# KiCad board motherboard.kicad_pcb (continued)
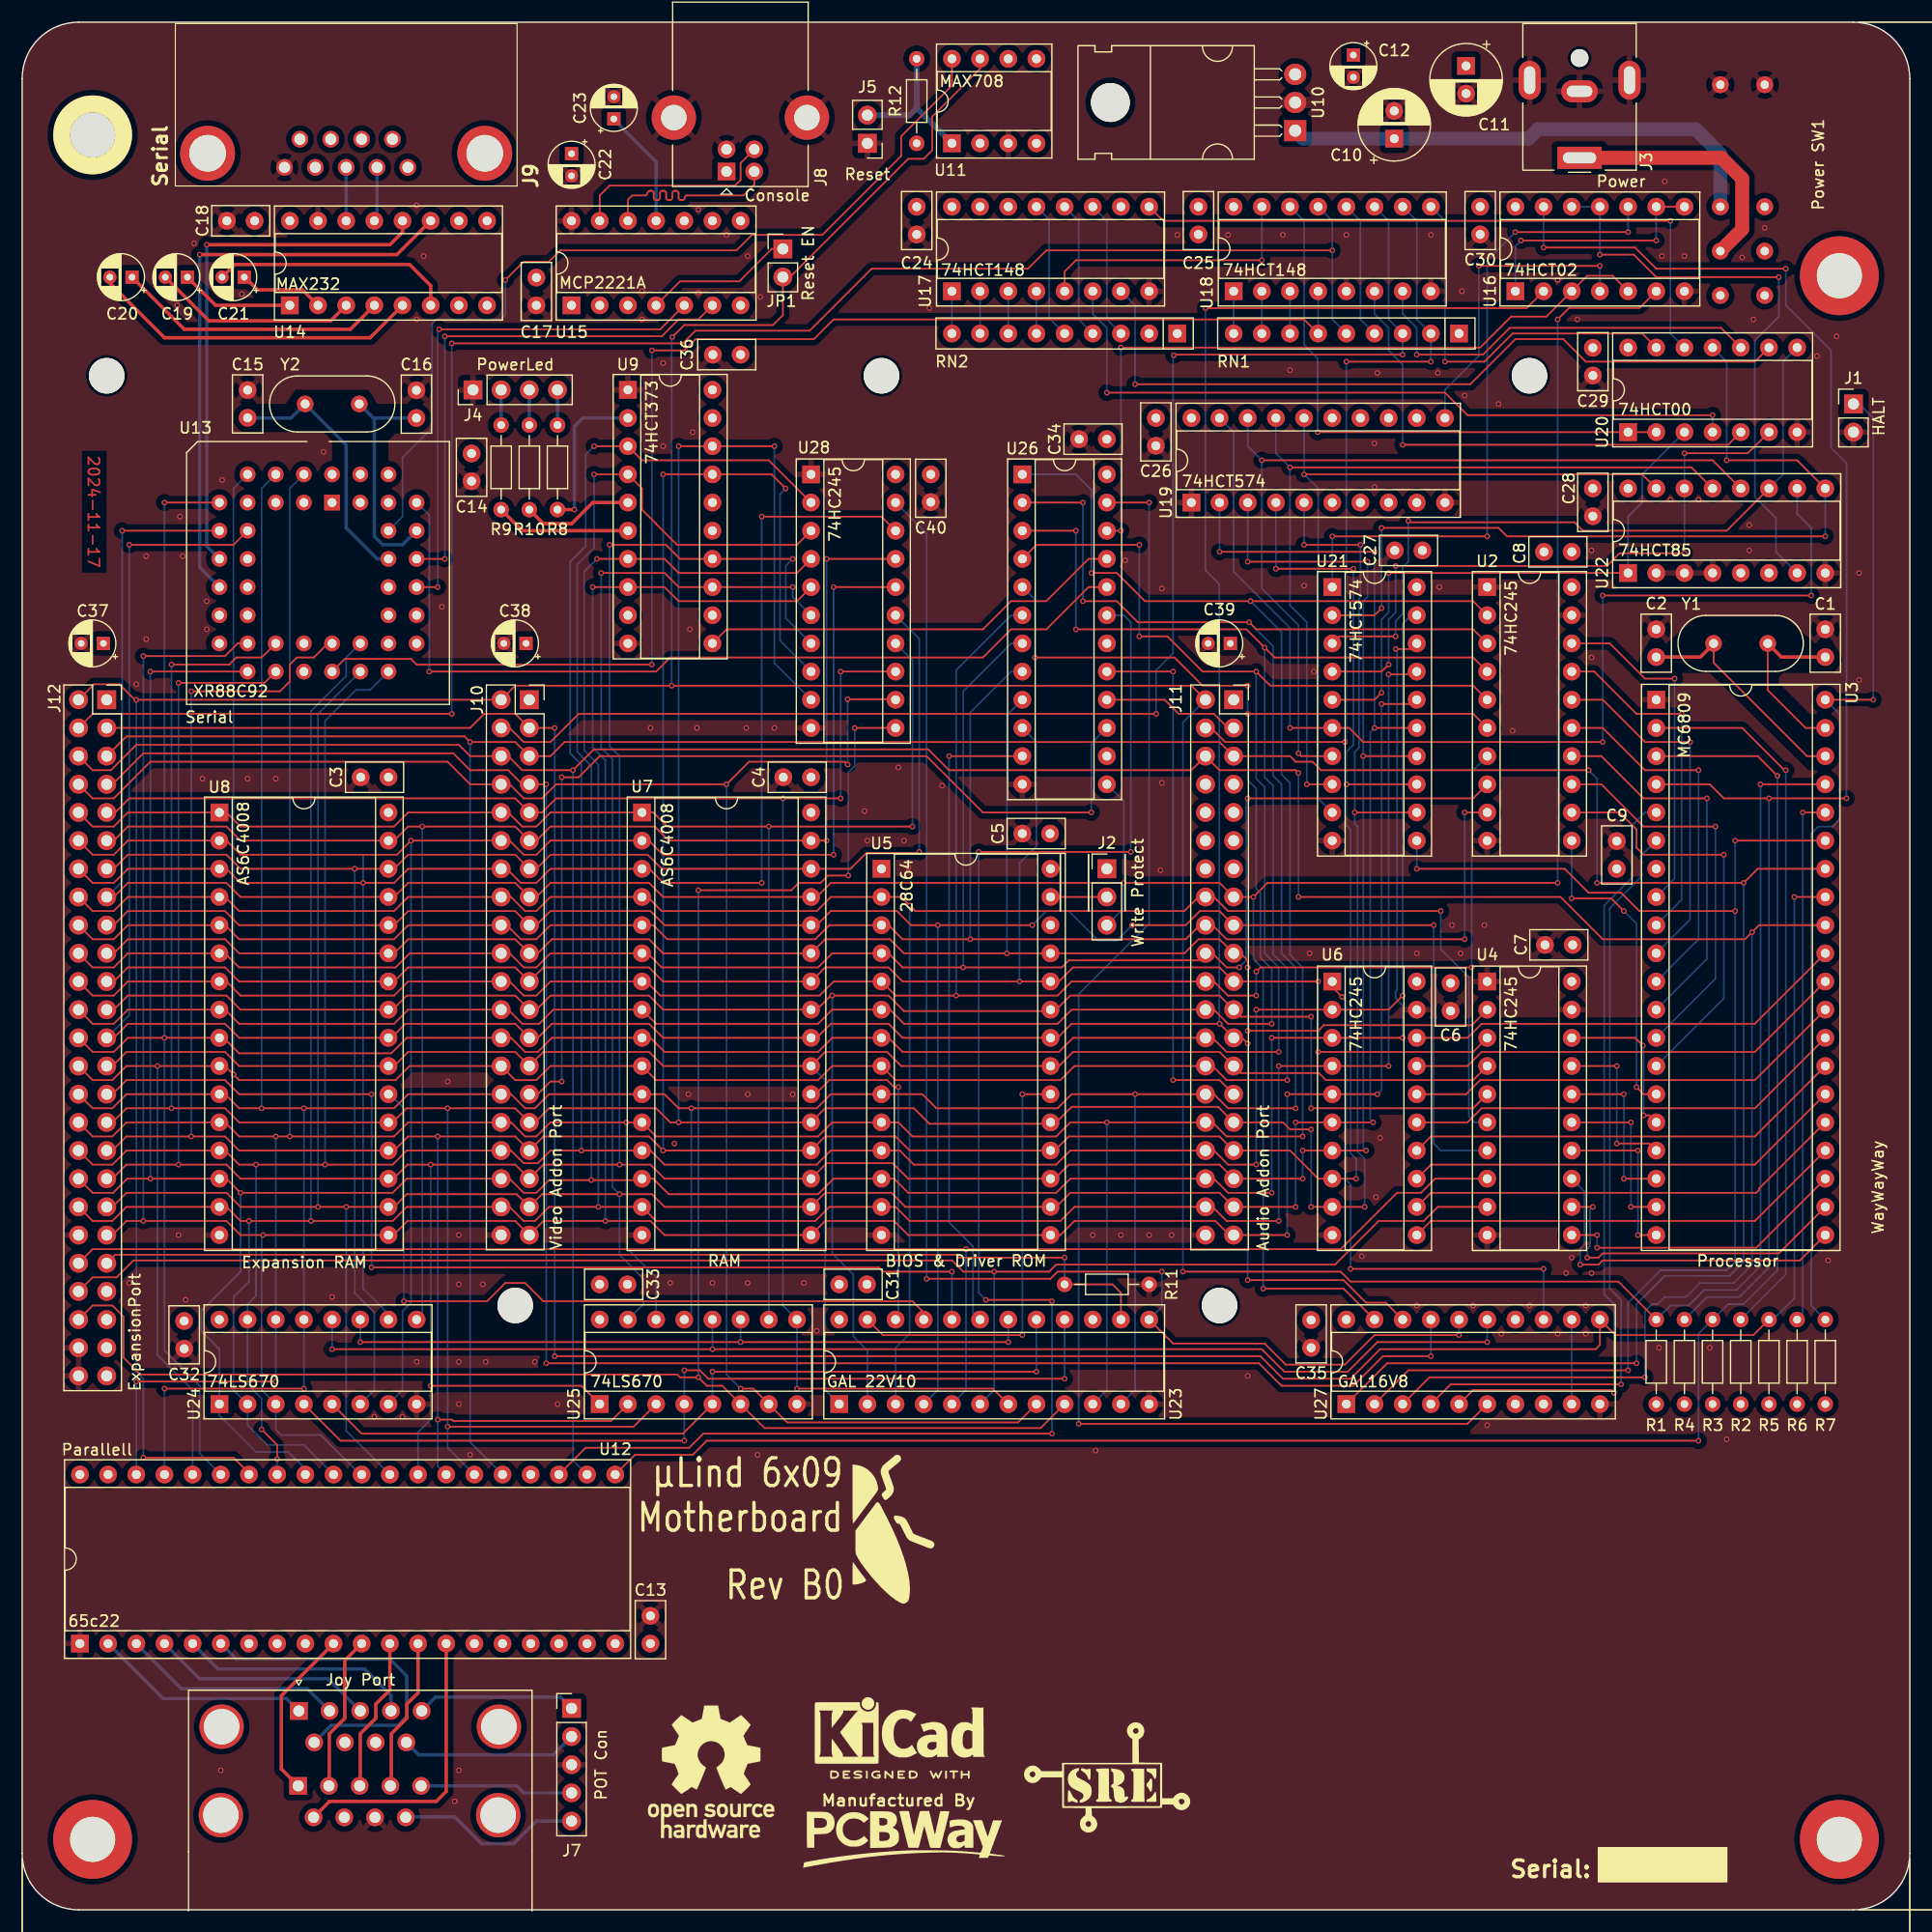
[diagram p0: board, top side]
## Routing (per net, layer and track width the routed paths; a pad name or vN(x,y) marks a point on that pad's centre or on a via; arc(x,y) is an arc through that point) (continued)
/D2: length 336.6
  Top w0.152: U21.17 125.48,111.38 v1(123.19,111.38) ; v1(113.28,76.07) U6.4 v1(123.19,76.07) ; U28.4 69.85,120.52 59.18,120.52 57.91,121.79 U9.7 v1(51.82,121.79) ; J12.38 6.35,62.1 8.13,62.1 9.4,63.37 U8.15 ; 18.41,63.37 19.68,62.1 v1(20.45,62.1) 33.4,62.1 34.67,63.37 J10.38 ; J11.38 94.87,63.37 93.6,62.1 80.01,62.1 78.74,63.37 U5.13 72.77,63.37 71.5,62.1 57.15,62.1 U7.15 47.5,63.37 46.23,62.1 45.21,62.1 43.94,63.37 ; v1(113.28,62.1) 108.58,62.1 107.31,63.37
  Bottom w0.152: v1(26.04,62.1) 26.04,108.08 29.21,111.25 29.21,112.9 U13.27 ; v1(51.82,121.79) 50.67,120.65 50.67,104.52 51.94,103.25 v1(51.94,63.37) ; v1(20.45,62.1) 20.45,56.64 19.05,55.25 19.05,46.86 U24.2 20.32,43.69 22.1,41.91 25.4,41.91 U12.31 ; v1(113.28,62.1) v1(113.28,76.07) ; v1(123.19,76.07) v1(123.19,111.38)
/D3: length 336.4
  Top w0.152: v1(122.55,108.71) 125.35,108.71 U21.16 ; 8.13,60.83 9.4,62.1 18.41,62.1 19.68,60.83 U8.17 ; v1(51.44,119.25) U9.8 57.91,119.25 59.18,117.98 69.85,117.98 U28.5 ; v1(10.92,113.03) 18.29,113.03 19.43,114.17 U13.19 ; v1(122.17,73.53) U6.5 v1(114.05,73.53) ; 33.46,60.83 34.73,62.1 44.45,62.1 J10.39 46.99,62.1 56.64,62.1 57.91,60.83 U7.17 72.39,62.1 78.61,62.1 79.88,60.83 U5.15 93.6,60.83 94.87,62.1 107.57,62.1 108.84,60.83 ; v1(114.05,60.83) J11.39
  Bottom w0.152: v1(122.55,108.71) 122.55,73.91 v1(122.17,73.53) ; 30.48,39.24 26.92,42.8 23.37,42.8 22.86,43.31 U24.3 21.59,46.86 21.59,60.71 v1(21.72,60.83) ; v1(52.58,62.1) 52.58,103.63 51.44,104.78 v1(51.44,119.25) ; v1(10.92,113.03) v1(10.92,62.1) ; v1(114.05,73.53) v1(114.05,60.83)
/D4: length 365.3
  Top w0.152: 93.22,63.37 94.49,64.64 107.95,64.64 J11.37 v1(114.81,63.37) ; 8.13,63.37 9.4,64.64 18.41,64.64 19.68,63.37 U8.18 ; v1(69.47,119.25) U9.13 59.18,119.25 57.91,120.52 v1(52.2,120.52) ; v1(121.79,70.99) U6.6 v1(114.81,70.99) ; U5.16 79.63,63.37 78.36,64.64 72.39,64.64 U7.18 57.91,63.37 56.77,64.52 46.86,64.52 J10.37 44.58,64.52 34.67,64.52 33.53,63.37 ; v1(121.92,106.55) U21.15 ; v1(121.92,122.43) v1(107.95,122.43)
  Bottom w0.152: v1(69.47,119.25) 69.47,118.36 U28.6 ; v1(26.67,63.37) 26.67,107.82 U13.26 ; v1(52.2,120.52) 52.2,104.78 53.21,103.76 53.21,65.15 v1(53.85,64.52) 53.85,59.06 56.01,56.9 56.01,54.61 U25.15 ; v1(121.92,122.43) v1(121.92,106.55) 121.54,106.17 121.54,71.25 v1(121.79,70.99) ; 33.15,39.24 29.21,43.18 v1(29.21,63.37) ; v1(114.81,63.37) v1(114.81,70.99) ; v1(107.95,122.43) U19.2
/D5: length 373.5
  Top w0.152: U8.19 19.68,65.91 18.41,67.18 9.4,67.18 8.13,65.91 ; v1(14.1,110.62) 21.84,110.62 U13.20 ; 93.09,65.91 94.36,67.18 107.95,67.18 J11.35 v1(115.44,65.91) ; v1(36.83,47.24) 50.42,47.24 U25.1 ; v1(121.16,68.45) U6.7 v1(115.44,68.45) ; v1(121.28,121.54) v1(110.49,121.54) ; v1(69.47,121.79) U9.14 59.31,121.79 58.04,123.06 v1(52.96,123.06) ; v1(120.9,104.01) U21.14 ; 33.46,65.91 34.73,67.18 44.45,67.18 J10.35 46.99,67.18 56.64,67.18 57.91,65.91 U7.19 72.52,67.31 78.49,67.31 79.88,65.91 U5.17
  Bottom w0.152: v1(69.47,121.79) 68.83,121.16 68.83,116.46 U28.7 ; v1(121.28,121.54) 121.28,118.36 120.9,117.98 v1(120.9,104.01) 120.9,68.71 v1(121.16,68.45) ; v1(115.44,68.45) v1(115.44,65.91) ; v1(14.1,110.62) v1(14.1,67.18) ; v1(52.96,123.06) 52.96,104.9 53.85,104.01 v1(53.85,67.18) ; v1(110.49,121.54) U19.3 ; U12.28 35.69,43.05 36.83,44.2 v1(36.83,67.18)
/D6: length 386.7
  Top w0.152: v1(37.46,44.2) 38.73,44.2 38.86,44.07 53.09,44.07 U25.2 ; v1(120.27,65.91) U6.8 116.84,65.91 114.3,68.45 J11.33 107.95,69.72 94.36,69.72 93.09,68.45 ; U5.18 80.01,68.45 78.74,69.72 72.39,69.72 U7.20 v1(57.78,68.45) 56.52,69.72 46.99,69.72 J10.33 44.45,69.72 34.8,69.72 33.53,68.45 ; U8.20 19.56,68.45 18.29,69.72 9.4,69.72 8.13,68.45 ; 27.56,114.17 26.29,112.9 24.76,112.9 24.13,112.27 24.13,110.74 23.24,109.85 v1(15.24,109.85) ; v1(57.78,129.41) U9.17 67.56,129.41 v1(68.83,128.14) ; v1(119.38,101.47) U21.13 ; v1(120.02,120.9) v1(113.03,120.9)
  Bottom w0.152: U12.27 37.46,40 v1(37.46,69.72) ; v1(68.83,128.14) 68.33,127.64 68.33,114.43 U28.8 ; v1(113.03,120.9) U19.4 ; v1(57.78,129.41) v1(57.78,68.45) ; v1(15.24,109.85) v1(15.24,69.72) ; v1(120.02,120.9) 120.02,105.03 119.38,104.39 v1(119.38,101.47) 119.38,97.79 119.76,97.41 119.76,68.2 120.27,67.69 v1(120.27,65.91)
/D7: length 396.5
  Top w0.152: U25.3 55.12,43.56 v1(38.35,43.56) ; v1(116.2,63.37) U6.9 v1(121.03,63.37) ; 8.13,70.99 9.4,72.26 18.29,72.26 19.56,70.99 U8.21 ; J10.31 44.45,72.26 34.67,72.26 33.4,70.99 ; v1(59.18,131.95) U9.18 v1(67.82,131.95) ; 46.23,70.99 47.5,72.26 57.15,72.26 58.42,70.99 U7.21 72.39,72.26 80.39,72.26 81.79,70.87 92.58,70.87 ; U13.21 21.59,112.9 19.3,112.9 18.67,112.27 v1(13.46,112.27) ; v1(120.14,98.93) U21.12 ; 93.22,70.99 94.61,72.39 107.82,72.39 J11.31 113.67,70.99 114.3,70.36 v1(116.2,70.36) ; v1(120.65,123.06) v1(115.57,123.06)
  Bottom w0.152: U12.26 38.35,41.66 v1(38.35,72.26) ; v1(116.2,63.37) v1(116.2,70.36) ; v1(120.65,123.06) 120.65,118.36 120.52,118.24 120.52,104.78 120.14,104.39 v1(120.14,98.93) 120.14,97.92 120.4,97.66 120.4,68.33 121.03,67.69 v1(121.03,63.37) ; v1(115.57,123.06) U19.5 ; v1(67.82,131.95) 67.82,112.4 U28.9 ; v1(13.46,72.26) v1(13.46,112.27) ; v1(59.18,131.95) v1(59.18,70.99)
/Expansion Ports/BAVAIL: length 178
  Top w0.152: v1(47.24,101.47) J10.7 ; 45.08,101.47 43.81,102.74 40.39,102.74 38.86,104.27 10.92,104.27 8.13,101.47 ; v1(47.24,49.28) 111.51,49.28 113.54,47.24 120.02,47.24 122.68,49.91 v1(127,49.91)
  Bottom w0.152: v1(127,49.91) U27.17 ; v1(47.24,49.28) v1(47.24,101.47)
/Expansion Ports/E: length 313.9
  Top w0.152: v1(141.99,92.58) v1(155.19,92.58) 156.46,93.85 U3.34 ; v1(145.54,49.28) 123.06,49.28 U27.1 ; v1(141.22,102.74) 117.09,102.74 116.33,103.5 114.81,103.5 114.3,104.01 J11.5 107.95,105.28 48.89,105.28 47.62,104.01 J10.5 44.45,105.28 v1(40.39,105.28) 39.88,105.79 9.4,105.79 J12.5
  Bottom w0.152: v1(141.99,92.58) 141.99,101.98 v1(141.22,102.74) ; v1(40.39,105.28) 40.39,42.16 U12.25 ; v1(155.19,92.58) 155.19,58.42 153.92,57.15 148.08,57.15 145.54,54.61 v1(145.54,49.28)
/Expansion Ports/R/~{W}: length 309.5
  Top w0.152: 43.81,104.01 45.08,102.74 v1(49.66,102.74) 51.54,104.62 81.69,104.62 83.57,102.74 105.41,102.74 J11.6 107.95,102.74 114.81,102.74 v1(115.06,102.49) ; U3.32 156.59,88.77 v1(155.96,88.14) 155.32,87.5 142.49,87.5 138.68,91.31 v1(115.06,91.31) ; U27.3 126.87,48.01 v1(146.3,48.01) ; J10.6 40.39,104.01 39.37,105.03 10.29,105.03 8,102.74 6.35,102.74 J12.6
  Bottom w0.152: v1(146.3,48.01) 146.3,53.97 146.94,54.61 147.45,54.61 148.08,55.25 149.99,55.25 151.26,56.52 154.31,56.52 155.96,58.17 v1(155.96,88.14) ; v1(49.66,102.74) 49.66,40.51 U12.22 ; v1(115.06,91.31) v1(115.06,102.49)
/Expansion Ports/~{BREQ}: length 254.8
  Top w0.152: J12.3 40.39,106.55 41.66,107.82 44.45,107.82 J10.3 v1(48.01,106.55) ; v1(48.01,49.91) 111.63,49.91 113.67,47.88 119.76,47.88 122.43,50.55 141.86,50.55 142.24,50.93 U27.11 143.64,51.82 156.08,51.82 R5.1 ; v1(159.77,91.31) U3.33
  Bottom w0.152: 157.86,53.21 159.77,55.12 v1(159.77,91.31) ; v1(48.01,106.55) v1(48.01,49.91)
/Expansion Ports/~{MAP_EN}: length 97
  Top w0.152: v1(93.98,58.8) 84.45,58.8 84.2,59.06 8.38,59.06 J12.41 ; R11.1 98.3,56.39 99.06,55.63 U23.14
  Bottom w0.152: v1(93.98,58.8) R11.1
/Expansion Ports/~{RAMX_EN}: length 96.8
  Top w0.152: v1(31.5,73.53) 19.56,73.53 18.29,74.8 9.4,74.8 8.13,73.53 ; v1(83.82,57.53) 77.6,57.53 77.22,57.91 v1(31.5,57.91)
  Bottom w0.152: v1(31.5,57.91) v1(31.5,73.53) ; v1(83.82,57.53) U23.20
/Expansion Ports/~{RD}: length 294.2
  Top w0.152: v1(106.68,144.4) 135.64,144.4 U16.2 ; U27.18 122.94,54.74 121.16,54.74 119.13,56.77 v1(110.49,56.77) ; 33.27,78.61 34.54,79.88 44.45,79.88 J10.25 ; 109.98,78.61 v1(110.49,78.1) ; 93.34,78.61 94.61,79.88 v1(107.95,79.88) J11.25 ; 71.63,78.61 72.9,79.88 78.1,79.88 79.38,78.61 U5.22 ; U13.10 19.05,123.06 v1(9.65,123.06) ; 46.48,78.61 47.75,79.88 56.52,79.88 57.78,78.61 U7.24 ; 8.25,78.61 9.53,79.88 18.29,79.88 19.56,78.61 U8.24
  Bottom w0.152: v1(107.95,79.88) 107.92,79.91 107.92,119.54 106.68,120.78 v1(106.68,144.4) ; v1(110.49,78.1) v1(110.49,56.77) ; J12.25 9.65,80.65 v1(9.65,123.06)
/Expansion Ports/~{RST}: length 413.3
  Top w0.152: R1.1 143.89,56.64 119.76,56.64 118.87,57.53 v1(104.65,57.53) ; U11.7 86.36,165.99 82.04,161.67 82.04,158.62 81.28,157.86 79.88,157.86 69.22,147.2 ; v1(156.72,101.47) U3.37 ; J11.2 105.41,110.36 44.45,110.36 J10.2 v1(10.29,109.09) 10.16,109.09 8.76,110.49 6.48,110.49 J12.2 ; v1(58.61,141.8) 59.69,142.88 67.69,142.88 68.58,143.76 JP1.2 ; 20.45,39.37 19.05,40.77 v1(10.92,40.77)
  Bottom w0.152: v1(58.55,110.36) 58.55,141.73 v1(58.61,141.8) ; v1(156.72,101.47) 156.72,58.04 154.56,55.88 151.64,55.88 150.24,54.48 148.59,54.48 R1.1 ; J11.2 104.65,107.06 v1(104.65,57.53) ; v1(10.92,40.77) 10.92,47.88 10.29,48.51 v1(10.29,109.09)
/Expansion Ports/~{WR}: length 297.2
  Top w0.152: U8.29 19.68,91.31 18.41,92.58 9.53,92.58 8.25,91.31 ; v1(138.43,92.58) 112.27,92.58 v1(111,91.31) J11.15 107.95,92.58 72.9,92.58 71.63,91.31 ; v1(111.89,56.01) 119.13,56.01 U27.19 ; 33.53,91.31 34.8,92.58 44.45,92.58 J10.15 ; 46.35,91.31 47.62,92.58 56.52,92.58 57.78,91.31 U7.29 ; v1(138.43,143.38) 139.47,144.42 145.82,144.42 U16.6 ; U13.9 v1(9.02,124.33)
  Bottom w0.152: J12.15 9.02,92.71 v1(9.02,124.33) ; v1(111.89,56.01) 111.89,84.84 111,85.72 v1(111,91.31) ; J2.3 99.31,90.3 v1(99.31,92.58) 99.31,99.95 U26.13 ; v1(138.43,92.58) v1(138.43,143.38)
/Power-Management/RST: length 81.4
  Top w0.152: v1(43.56,146.94) 45.21,148.59 47.5,148.59 48.51,149.61 64.39,149.61 65.79,151 72.14,151 79.25,158.12 79.25,159.89 83.82,164.47 U11.8
  Bottom w0.152: v1(43.56,146.94) 43.56,143.76 43.18,143.38 37.34,143.38 36.96,143 36.96,133.6 34.29,130.94 34.29,125.6 U13.38
/Serial-Parallel/D+: length 18.8
  Top w0.152: 66,158.71 64.77,157.48 64.77,155.96 64.26,155.45 52.96,155.45 52.07,154.56 U15.13
/Serial-Parallel/D-: length 18.8
  Top w0.152: U15.12 54.61,154.18 54.99,154.56 56.17,154.56 arc(56.32,154.62) 56.38,154.77 arc(56.44,154.92) 56.59,154.98 56.73,154.98 arc(56.88,154.92) 56.94,154.77 56.94,154.35 arc(57,154.2) 57.15,154.14 57.29,154.14 arc(57.44,154.2) 57.5,154.35 57.5,154.77 arc(57.56,154.92) 57.71,154.98 57.85,154.98 arc(58,154.92) 58.06,154.77 58.06,154.35 arc(58.12,154.2) 58.27,154.14 58.41,154.14 arc(58.56,154.2) 58.62,154.35 58.62,154.77 arc(58.68,154.92) 58.83,154.98 58.97,154.98 arc(59.12,154.92) 59.18,154.77 59.18,154.35 arc(59.24,154.2) 59.39,154.14 59.53,154.14 arc(59.68,154.2) 59.74,154.35 arc(59.8,154.5) 59.95,154.56 65.02,154.56 66,155.53 J8.2
/~{IRQ_0}: length 123.4
  Top w0.152: RN2.6 115.57,143.38 73.15,143.38 71.37,141.61 60.71,141.61 59.69,140.59 v1(56.77,140.59) ; U13.24 29.08,112.78 35.05,112.78 35.56,112.27 v1(56.77,112.27)
  Bottom w0.152: U18.4 RN2.6 ; v1(56.77,140.59) v1(56.77,112.27)
/~{IRQ_1}: length 3.8
  Bottom w0.152: U18.3 RN2.7
/~{IRQ_2}: length 4
  Bottom w0.152: U18.2 RN2.8 111.89,141.99
/~{IRQ_3}: length 3.8
  Bottom w0.152: U18.1 RN2.9
/~{IRQ_4}: length 162.9
  Top w0.152: J12.4 6.35,107.82 v1(38.73,107.82) ; v1(118.11,149.61) 92.33,149.61 90.68,147.95 76.58,147.95 70.99,142.37 60.71,142.37 59.56,141.22 v1(38.73,141.22)
  Bottom w0.152: U18.13 118.11,152.27 v1(118.11,149.61) 118.11,143.38 RN2.5 ; v1(38.73,141.22) v1(38.73,107.82)
/~{IRQ_5}: length 12.5
  Bottom w0.152: RN2.4 120.65,143.38 120.65,152.27 U18.12
/~{IRQ_6}: length 127.8
  Top w0.152: v1(124.46,140.21) 103.89,140.21 v1(103.82,140.14) ; 43.94,106.55 45.21,105.28 47.62,105.28 50.16,107.82 v1(102.23,107.82)
  Bottom w0.152: RN2.3 123.19,143.38 123.19,152.27 U18.11 ; v1(103.82,140.14) 103.76,140.08 103.76,113.28 102.23,111.76 v1(102.23,107.82) ; v1(124.46,140.21) 124.46,141.99
/~{IRQ_7}: length 69.6
  Top w0.152: 107.19,106.55 108.46,105.28 v1(119.25,105.28) ; v1(119.38,139.57) v1(127,139.57)
  Bottom w0.152: v1(127,139.57) RN2.2 125.73,143.38 125.73,152.27 U18.10 ; v1(119.25,105.28) 119.38,105.41 v1(119.38,139.57)
/~{IRQ_8}: length 3.8
  Bottom w0.152: U17.4 RN1.6
/~{IRQ_9}: length 3.8
  Bottom w0.152: U17.3 RN1.7
/~{IRQ_10}: length 3.8
  Bottom w0.152: U17.2 RN1.8
/~{IRQ_11}: length 3.7
  Bottom w0.152: U17.1 83.82,142.24
/~{IRQ_12}: length 12.5
  Bottom w0.152: U17.13 92.58,152.4 92.58,143.51 RN1.5
/~{IRQ_13}: length 12.5
  Bottom w0.152: RN1.4 95.25,143.38 95.25,152.27 U17.12
/~{IRQ_14}: length 12.5
  Bottom w0.152: U17.11 97.79,152.27 97.79,143.38 RN1.3
~{RD}': length 7.6
  Bottom w0.152: U27.9 U27.12
Net-(J2-Pin_2): length 5.1
  Top w0.152: J2.2 U5.27
Net-(J4-BA): length 3.2
  Bottom w0.305: J4.4 R8.1
Net-(J4-GA): length 3.2
  Bottom w0.305: J4.3 R10.1
Net-(J4-RA): length 3.2
  Bottom w0.305: J4.2 R9.1
Net-(J7-Pin_1): length 14.4
  Bottom w0.305: J7.1 48.51,19.18 37.26,19.18 Joy Port.5
Net-(J7-Pin_2): length 16
  Bottom w0.305: J7.2 47.88,13.97 35.76,13.97 34.63,15.09
Net-(J7-Pin_4): length 13.8
  Bottom w0.305: J7.4 45.21,10.54 44.58,11.18 Joy Port.15
Net-(J7-Pin_5): length 16.7
  Bottom w0.305: J7.5 46.35,8 44.32,5.97 41.4,5.97 38.99,8.38 34.62,8.38
Net-(JP1-A): length 13.5
  Top w0.152: JP1.1 67.57,149.74 64.64,146.81 59.31,146.81 U15.4
Net-(Power SW1-1-2): length 44.7
  Bottom w1.25: U10.1 115.49,159.68 C10.1 135.8,159.68 136.65,160.53 150.88,160.53 153.1,158.31 Power SW1.3
Net-(Power SW1-1-C): length 22.8
  Top w1.25: J3.1 153.2,157.95 155.07,156.08 155.07,151.51 Power SW1.1
Net-(U3-EXTAL): length 21
  Top w0.152: U3.38 160.91,104.01 152.49,112.43 Y1.1
  Top w0.305: 152.49,114.14 151.3,112.94 C2.1
Net-(U3-XTAL): length 16.5
  Top w0.152: U3.39 160.78,106.55 157.37,109.97 Y1.2
  Top w0.305: C1.1 158.6,112.94 Y1.2
Net-(U9-O0): length 14.2
  Top w0.305: R8.2 v1(49.78,126.24)
  Bottom w0.305: v1(49.78,126.24) 49.78,133.73 50.55,134.49 U9.2
Net-(U9-O1): length 10.2
  Top w0.305: R10.2 46.99,124.97 49.53,124.97 51.44,126.87 U9.5
Net-(U9-O2): length 12.2
  Top w0.305: U9.6 45.08,124.33 R9.2
Net-(U11-~{MR}): length 13.6
  Bottom w0.521: J5.2 80.01,161.8 80.64,162.43 ; 80.64,162.43 R12.2 ; 80.64,162.43 U11.1
Net-(U12-PA0): length 19.7
  Bottom w0.305: Joy Port.1 23.82,19.05 12.7,19.05 U12.2
Net-(U12-PA1): length 19.9
  Bottom w0.305: U12.3 14.35,19.94 25.7,19.94 Joy Port.2
Net-(U12-PA2): length 20.2
  Bottom w0.305: Joy Port.3 27.58,20.83 16,20.83 12.83,24
Net-(U12-PA3): length 21.2
  Bottom w0.305: 15.37,24 17.65,21.72 30.86,21.72 33.25,19.33 Joy Port.4
Net-(U12-PA4): length 31
  Bottom w0.305: U12.6 19.3,22.61 33.15,22.61 34.67,21.08 34.67,17.4 33.91,16.64 27.87,16.64 Joy Port.6
Net-(U12-PB0): length 15.4
  Top w0.305: Joy Port.11 23.37,12.69 23.37,19.3 U12.10
Net-(U12-PB1): length 14
  Top w0.305: U12.11 29.08,22.48 29.08,17.27 27.69,15.88 27.69,11.21
Net-(U12-PB2): length 13.9
  Top w0.305: 33.15,24 33.15,19.81 31.88,18.54 31.88,17.27 30.48,15.88 30.48,11.23
Net-(U12-PB3): length 13.7
  Top w0.305: U12.13 35.69,19.56 34.67,18.54 34.67,17.27 33.27,15.88 33.27,11.26
Net-(U12-PB4): length 26.3
  Top w0.305: Joy Port.16 27.69,9.75 27.69,9.78 37.34,9.78 38.23,10.67 U12.14
Net-(U13-RxA): length 47.9
  Top w0.152: v1(38.1,141.86) 57.66,141.86 59.18,143.38 60.96,143.38 U15.6 ; U13.35 v1(38.1,121.79)
  Bottom w0.152: v1(38.1,141.86) v1(38.1,121.79)
Net-(U13-RxB): length 47.9
  Top w0.305: U14.12 34.29,151.26 33.15,150.11 v1(16.64,150.11)
  Bottom w0.305: v1(16.64,150.11) 16.64,122.94 U13.11
Net-(U13-TxA): length 48.2
  Top w0.152: U13.33 v1(37.46,119.25) ; v1(37.59,142.49) 57.53,142.49 U15.5
  Bottom w0.152: v1(37.59,142.49) 37.46,142.37 v1(37.46,119.25)
Net-(U13-TxB): length 52.8
  Top w0.305: v1(16,149.22) 33.78,149.22 U14.11
  Bottom w0.305: v1(16,149.22) 16,121.03 U13.13
Net-(U13-X1/CLK): length 23.4
  Bottom w0.305: 20.34,134.49 24.24,134.49 Y2.2 29.21,132.06 29.21,124.59 32,121.79 U13.36
Net-(U13-X2): length 22.8
  Bottom w0.305: U13.37 34.29,123.06 32.51,123.06 31.75,123.82 31.75,134.4 Y2.1 31.66,134.49 C16.1
Net-(U14-C1+): length 10.3
  Top w0.305: C19.1 17.44,144.65 U14.1
Net-(U14-C1-): length 18.5
  Top w0.305: U14.3 27.81,143.26 16.84,143.26 C19.2
Net-(U14-C2+): length 24.7
  Top w0.305: C20.1 14.61,142.49 29.59,142.49 U14.4
Net-(U14-C2-): length 29.6
  Top w0.305: 7.91,146.65 12.83,141.73 31.37,141.73 U14.5
Net-(U14-R1IN): length 4.6
  Bottom w0.305: J9.2 31.99,152.51
Net-(U14-T1OUT): length 4.8
  Bottom w0.305: J9.3 U14.14
Net-(U14-VS+): length 7.7
  Top w0.305: 20.07,147.19 21.21,146.05 25.27,146.05 U14.2
Net-(U14-VS-): length 21.8
  Top w0.305: U14.6 36.83,146.43 34.92,148.34 19.17,148.34 C21.2
Net-(U15-VUSB): length 10.7
  Bottom w0.305: U15.11 57.15,157.61 53.34,161.42
Net-(U16-Pad1): length 22.6
  Top w0.152: U16.8 U16.9 ; v1(135.13,150.5) v1(147.32,150.5)
  Bottom w0.152: U16.1 134.62,149.99 v1(135.13,150.5) ; v1(147.32,150.5) U16.9
Net-(U17-EI): length 24.8
  Top w0.152: U17.5 93.98,147.7 95,148.72 v1(111.76,148.72)
  Bottom w0.152: v1(111.76,148.72) U18.15
Net-(U17-S0): length 59.5
  Top w0.152: v1(148.59,152.27) 102.87,152.27 U17.9
  Bottom w0.152: U20.12 148.59,142.11 v1(148.59,152.27)
Net-(U17-S1): length 69.1
  Top w0.152: U20.9 156.21,139.57 140.97,139.57 138.94,141.61 134.62,141.61 130.56,137.54 v1(100.33,137.54)
  Bottom w0.152: U17.7 100.33,144.65 v1(100.33,137.54)
Net-(U17-S2): length 66.6
  Top w0.152: v1(152.4,134.75) 130.3,134.75 128.27,136.78 v1(97.79,136.78)
  Bottom w0.152: v1(97.79,136.78) 97.79,142.62 96.52,143.89 U17.6 ; v1(152.4,134.75) U20.4
Net-(U18-GS): length 51.9
  Top w0.152: v1(116.79,133.22) U20.1 U20.2
  Bottom w0.152: U18.14 115.57,152.27 115.57,141.1 116.79,139.88 v1(116.79,133.22)
Net-(U18-S0): length 35.1
  Top w0.152: U20.13 146.05,142.11 134.37,142.11 131.83,139.57 v1(128.27,139.57)
  Bottom w0.152: U18.9 128.27,152.27 v1(128.27,139.57)
Net-(U18-S1): length 37.2
  Top w0.152: v1(125.73,140.21) 131.7,140.21 134.11,142.62 153.16,142.62 U20.10
  Bottom w0.152: v1(125.73,140.21) 125.73,142.62 124.46,143.89 U18.7
Net-(U18-S2): length 45.8
  Top w0.152: U20.5 153.8,132.08 v1(124.46,132.08)
  Bottom w0.152: U18.6 121.92,143.89 123.19,142.62 123.19,140.59 124.46,139.32 v1(124.46,132.08)
Net-(U19-Cp): length 28.2
  Top w0.152: v1(142.24,148.21) v1(131.32,148.21)
  Bottom w0.152: U16.4 v1(142.24,148.21) ; U19.11 128.27,137.03 131.32,140.08 v1(131.32,148.21)
Net-(U19-Q0): length 101.5
  Top w0.152: v1(142.49,118.49) v1(161.29,118.49) ; v1(114.3,106.55) U21.6 119.63,106.55 120.9,105.28 v1(142.49,105.28)
  Bottom w0.152: v1(114.3,106.55) 114.3,115.57 109.22,120.65 109.22,133.22 U19.19 ; v1(161.29,118.49) 161.29,124.59 160.02,125.86 U22.10 ; v1(142.49,105.28) v1(142.49,118.49)
Net-(U19-Q1): length 79.5
  Top w0.152: v1(111.76,130.68) 152.4,130.68 U22.12 ; v1(115.06,104.27) 115.32,104.01 U21.7
  Bottom w0.152: U19.18 110.49,131.95 v1(111.76,130.68) 111.76,119.13 115.06,115.82 v1(115.06,104.27)
Net-(U19-Q2): length 75.4
  Top w0.152: U22.13 150.5,130.05 v1(114.3,130.05) ; v1(115.82,101.47) U21.8
  Bottom w0.152: v1(115.82,101.47) 115.82,116.08 114.3,117.6 v1(114.3,130.05) 113.03,131.32 U19.17
Net-(U19-Q3): length 68.9
  Top w0.152: v1(115.57,129.41) 146.05,129.41 U22.15
  Bottom w0.152: U21.9 116.84,100.2 116.84,128.14 v1(115.57,129.41) U19.16
Net-(U21-D0): length 77.2
  Top w0.152: v1(153.67,130.68) 160.02,130.68 U22.9 ; v1(122.55,117.35) 121.92,116.71 U21.2 ; v1(162.56,123.82) 133.86,123.82 133.1,124.59 v1(122.55,124.59)
  Bottom w0.152: v1(153.67,130.68) 153.67,139.57 U20.11 ; v1(162.56,123.82) U22.9 ; v1(122.55,117.35) v1(122.55,124.59)
Net-(U21-D1): length 65.1
  Top w0.152: U21.3 118.74,114.81 v1(123.83,114.81) ; v1(124.97,125.22) 125.09,125.09 139.95,125.09 140.72,124.33 153.67,124.33 U22.11
  Bottom w0.152: v1(124.97,125.22) 124.97,121.54 124.46,121.03 124.46,116.84 123.83,116.21 v1(123.83,114.81) ; U20.8 158.75,139.57 158.75,129.41 U22.11
Net-(U21-D2): length 58.4
  Top w0.152: v1(149.86,131.32) 155.58,131.32 U20.6 ; v1(123.19,112.27) 122.55,111.63 U21.4 ; v1(149.86,122.3) 144.02,122.3 142.88,121.16 v1(123.83,121.16)
  Bottom w0.152: v1(123.19,112.27) 123.19,116.33 123.83,116.97 v1(123.83,121.16) ; v1(149.86,122.3) U22.14 v1(149.86,131.32)
Net-(U21-D3): length 52.2
  Top w0.152: v1(123.19,120.52) U22.1 ; U21.5 121.92,109.09 v1(122.55,109.73)
  Bottom w0.152: U22.1 144.78,125.6 146.05,126.87 146.05,129.41 U20.3 ; v1(123.19,120.52) 123.19,116.97 122.55,116.33 v1(122.55,109.73)
Net-(U21-OE): length 59.5
  Top w0.152: v1(118.11,123.82) v1(132.08,123.82) ; v1(134.62,151.26) v1(144.78,151.26)
  Bottom w0.152: U21.1 v1(118.11,123.82) ; v1(134.62,151.26) 132.08,148.72 v1(132.08,123.82) ; v1(144.78,151.26) U16.10
Net-(U22-Oa<b): length 53
  Top w0.152: v1(142.24,149.22) 145.29,149.22 147.32,147.19 v1(158.37,147.19)
  Bottom w0.152: v1(158.37,147.19) 158.37,143.64 156.21,141.48 156.21,127.38 158.12,125.48 158.12,122.43 U22.7 ; v1(142.24,149.22) U16.11 U16.12

## Copper pours and planes (outline as drawn; the poured copper is in the pictures)
GND on Top, Bottom, In2.Cu: -1.27,171.32 -1.27,-1.4 171.45,-1.4 171.45,171.32
VCC on In1.Cu: -1.91,171.96 -1.91,-2.03 172.09,-2.03 172.09,171.96

## Text on the board
B.Silkscreen: For / Linus & Love
Top: 2024-11-17
F.Silkscreen: Serial | Expansion RAM | RAM | BIOS & Driver ROM | Processor | Parallell | WayWayWay | Manufactured By | Serial: | Rev B0 | µLind 6x09 / Motherboard
